# Altium PCB Supply__PCB.PcbDoc
Units mil, origin at the board's own origin, x right, y up, seen from the top; angles counter-clockwise.
Board outline 6279.53 x 4665.35 mil, 2 copper layers (Top Layer, Bottom Layer); 102 components, 61 nets, 341 pads, 45 vias.
Unrouted connection lines stored in the file: 11.
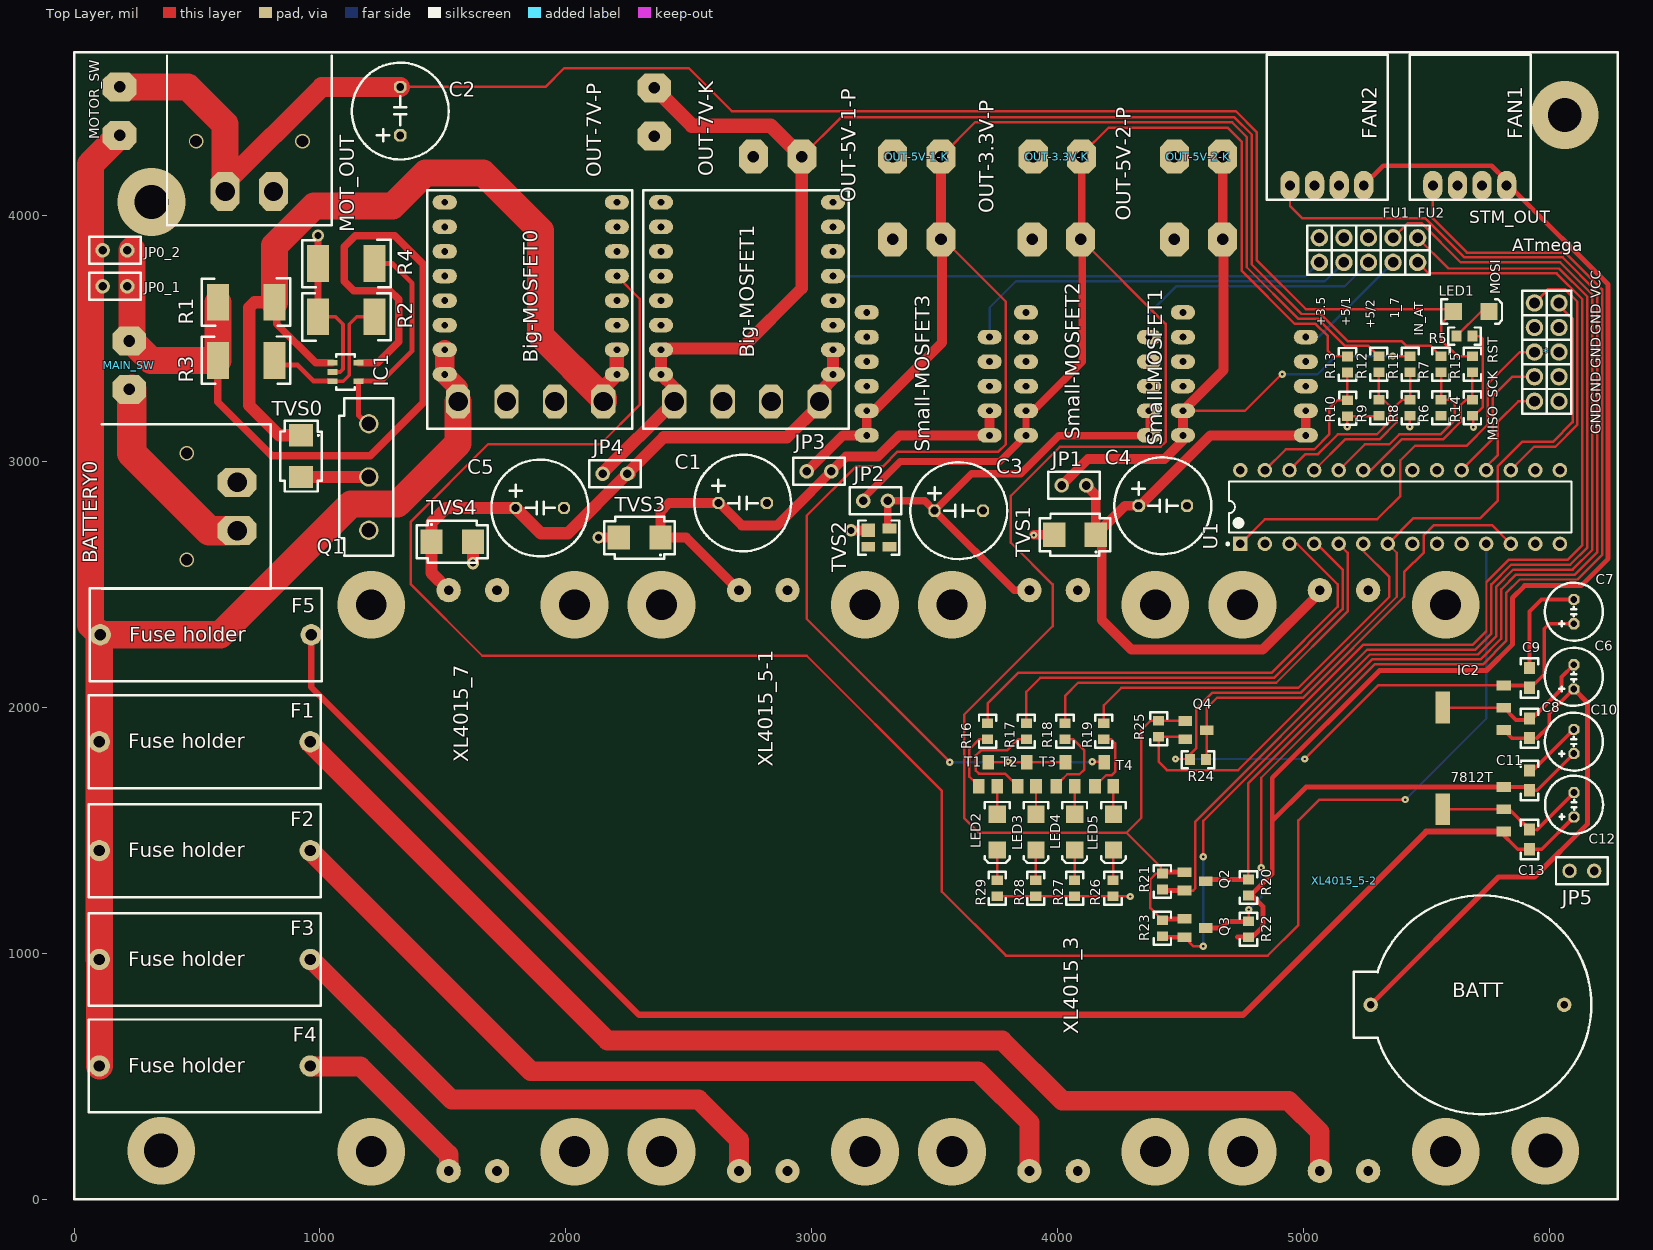
[diagram p0: Top Layer view]
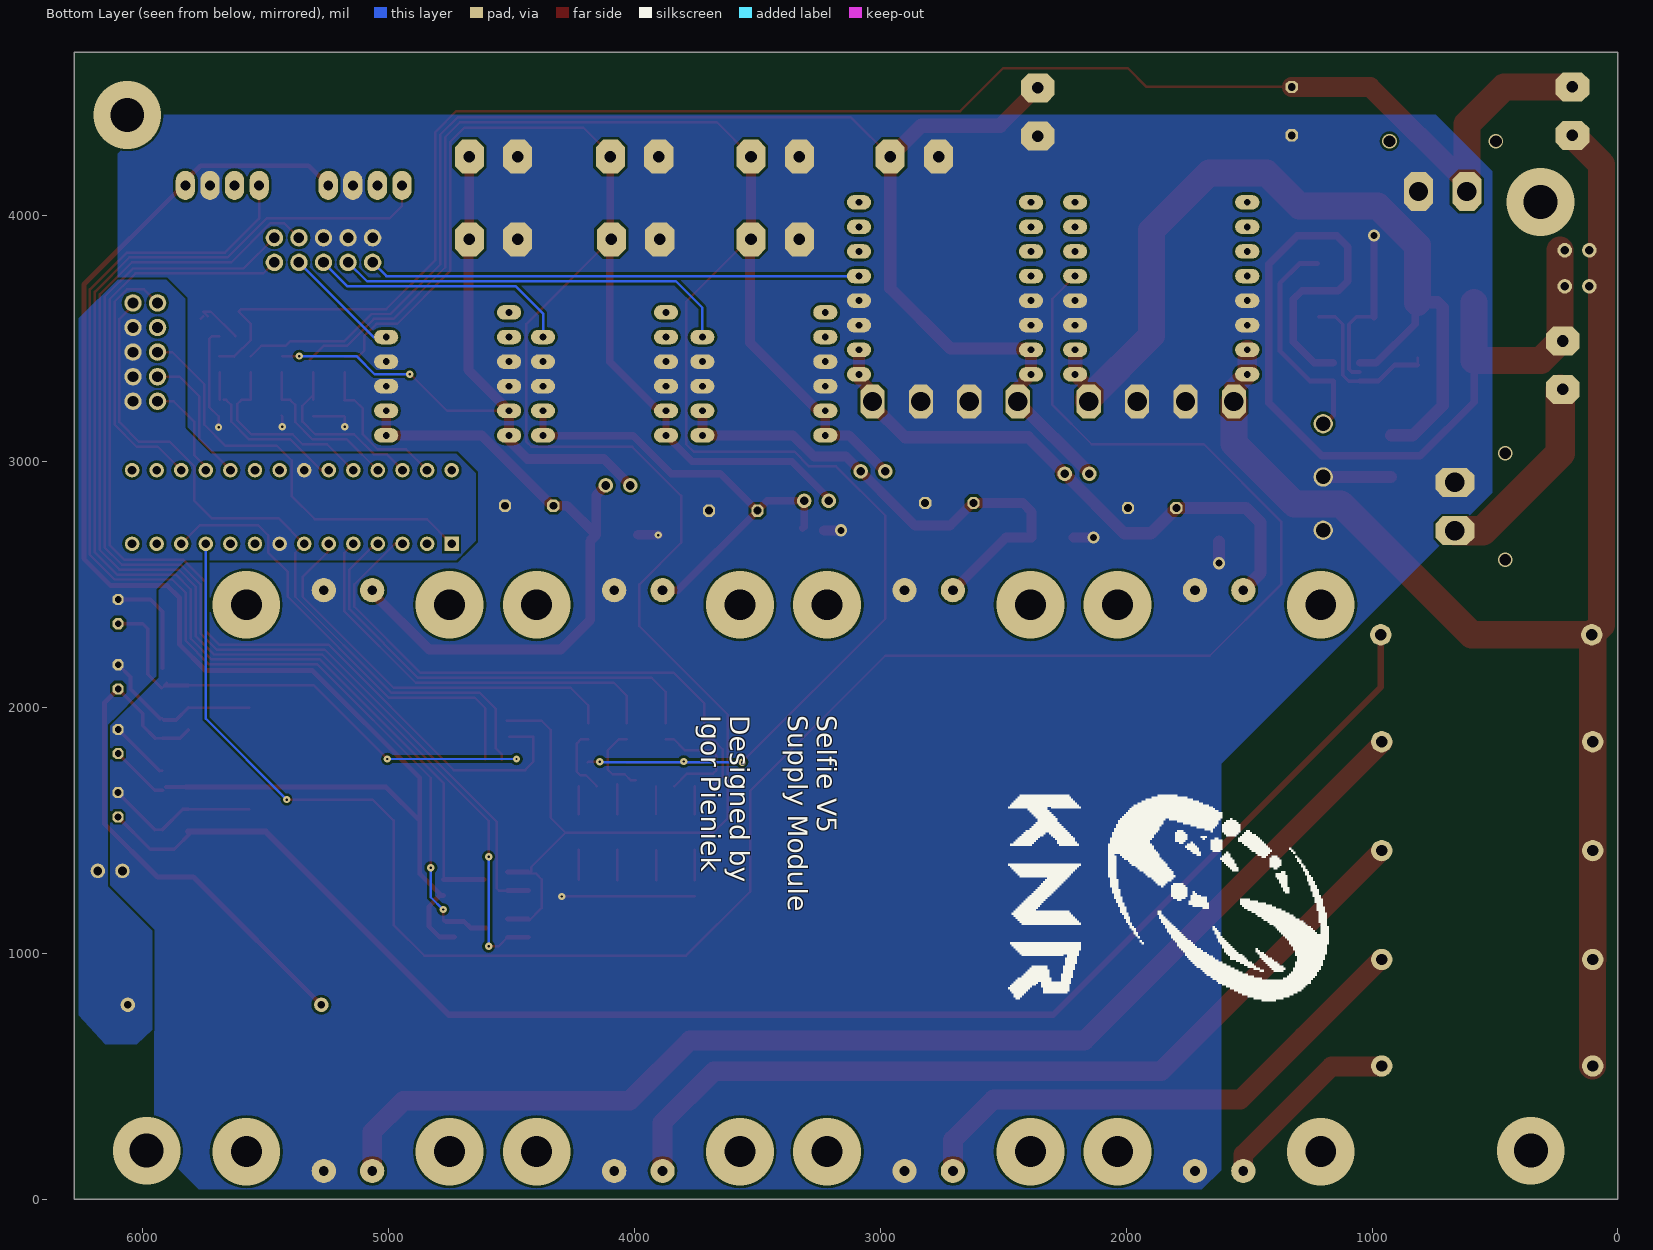
[diagram p1: Bottom Layer view, seen from below]
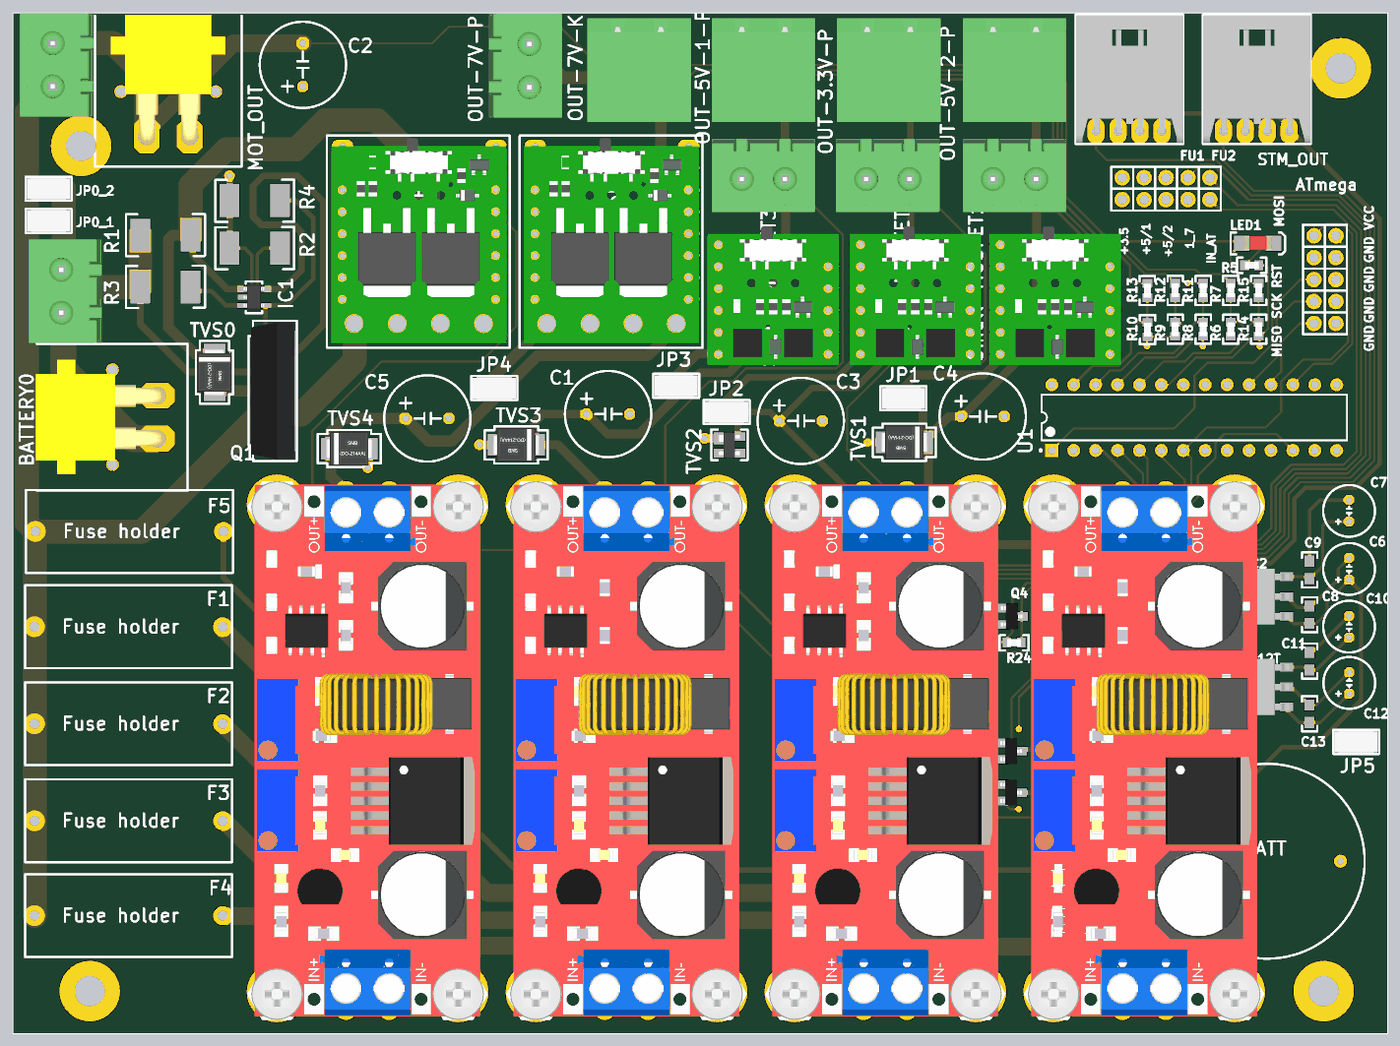
[diagram p2: 3D render of the assembled board from above, using the file's embedded part models]

## Layer stack, top to bottom
Top Solder: solder mask 0.4, Solder Resist, Dk 3.5
Top Layer: signal copper 1.4
Dielectric 1: dielectric 12.6, FR-4, Dk 4.8
Bottom Layer: signal copper 1.4
Bottom Solder: solder mask 0.4, Solder Resist, Dk 3.5

## Board outline
0,0 6279.53,0 6279.53,4665.35 0,4665.35

## Design rules (kind name [scope] priority, off if disabled: settings)
Clearance [All] p1: gap=10
PlaneConnect [All] p1: planeconnectstyle=Relief reliefexpansion=20 reliefentries=4 reliefconductorwidth=20 reliefairgap=10
PolygonConnect [All] p1: connectstyle=Direct reliefconductorwidth=10 reliefentries=4 polygonreliefangle="90 Angle" airgapwidth=10
RoutingVias [All] p1: holewidth=28 width=50 viastyle="Through Hole" minholewidth=28 minwidth=50 maxholewidth=28 maxwidth=50
SolderMaskExpansion [All] p1: expansion=4
Width [All] p1: maxlimit=10 minlimit=10 preferedwidth=10
29 further rules are at their usual default settings.

## Components (designator, comment, footprint, x,y, rotation, side; value= is the part's Value field where it differs from the comment)
7812T "7812T" SOT-223 5815,1495 r90 top
* "IDC10 KANDA" IDC10 5940,3645 r270 top
BATT "CR2032" CR2032 6120,790 r180 top
BATTERY0 "2-pin" XT30-katowy-in 663,2817 r90 top
Big-MOSFET0 "16A" Big-MOSFET-Switch 2152.66,3244.14 r180 top
Big-MOSFET1 "16A" Big-MOSFET-Switch 3032.07,3244.14 r180 top
C1 "1000u" 5mm 2621.01,2831.07 r0 top
C2 "1000u" 5mm 1326.77,4326.77 r90 top
C3 "1000u" 5mm 3500,2800 r0 top
C4 "1000u" 5mm 4330,2820 r0 top
C5 "1000u" 5mm 1796.13,2811.07 r0 top
C6 "220u" 2.5mm 6100,2075 r90 top
C7 "100u" 2.5mm 6100,2340 r90 top
C8 "100n" 0603#1 5920,1875 r90 top
C9 "100n" 0603#1 5920,2080 r90 top
C10 "100u" 2.5mm 6100,1811.57 r90 top
C11 "100n" 0603#1 5920,1663 r90 top
C12 "220u" 2.5mm 6101,1554.57 r90 top
C13 "100n" 0603#1 5920,1423 r90 top
F1 "8A" fuse 102.43,1860.28 r0 top
F2 "8A" fuse 102.43,1417.37 r0 top
F3 "8A" fuse 102.43,974.46 r0 top
F4 "8A" fuse 102.43,541.39 r0 top
F5 "2A" fuse 106.36,2295.32 r0 top
FAN1 "connector4" CON4 5826.77,4122.99 r180 top
FAN2 "connector4" CON4 5245.75,4123 r180 top
IC1 "comp" "komparator AP331A" 1051.24,3401.62 r270 top
IC2 "7805T" SOT-223 5815,1908 r90 top
JP0_1 "jumper" jumper 116.2,3712.65 r0 top
JP0_2 "jumper" jumper 116.2,3859.3 r0 top
JP1 "jumper" jumper 4016.99,2902.76 r0 top
JP2 "jumper" jumper 3210,2840 r0 top
JP3 "jumper" jumper 2980,2960 r0 top
JP4 "jumper" jumper 2150,2950 r0 top
JP5 "jumper" jumper 6082.68,1334.65 r0 top (schematic designator JP1)
LED1 "LED" 1206 5610,3610 r0 top
LED2 "LED" 1206 3755.04,1565 r270 top
LED3 "LED" 1206 3912.52,1565 r270 top
LED4 "LED" 1206 4070,1565 r270 top
LED5 "LED" 1206 4227.48,1565 r270 top
MAIN_SW "2-pin" 2-pin-zielony-prosty 224.47,3293.35 r90 top
MOT_OUT "2-pin" XT30-katowy-in 712.6,4098.43 r0 top
MOTOR_SW "2-pin" 2-pin-zielony-prosty 185.1,4326.82 r90 top
OUT-3.3V-K "2-pin" 2-pin-zielony-kat 4098.17,4240 r180 top
OUT-3.3V-P "" 2-pin-zielony-prosty 4094.24,3903.59 r180 top
OUT-5V-1-K "2-pin" 2-pin-zielony-kat 3526.2,4240 r180 top
OUT-5V-1-P "" 2-pin-zielony-prosty 3526.2,3903.59 r180 top
OUT-5V-2-K "2-pin" 2-pin-zielony-kat 4671.95,4240 r180 top
OUT-5V-2-P "" 2-pin-zielony-prosty 4671.95,3903.59 r180 top
OUT-7V-K "2-pin" 2-pin-zielony-kat 2960,4240 r180 top
OUT-7V-P "" 2-pin-zielony-prosty 2360,4520 r270 top
Q1 "IXFH74N20P" IXFH74N20P 1198.88,2937.06 r270 top
Q2 "BSS138" BSS138 4516.62,1329.76 r270 top
Q3 "BSS138" BSS138 4516.62,1139.76 r270 top
Q4 "BSS138" BSS138 4520,1944.8 r270 top
R1 "0.01" R2512 815.02,3647.69 r180 top
R2 "3.9k" R2512 992.19,3588.63 r0 top
R3 "120" R2512 815.02,3411.46 r180 top
R4 "10k" R2512 992.19,3805.17 r0 top
R5 "690" 0603#2 5687.95,3510 r180 top
R6 "2.2k" 0603#2 5559.99,3186.46 r90 top
R7 "3.3k" 0603#2 5559.99,3363.63 r90 top
R8 "4.7k" 0603#2 5434.4,3186.46 r90 top
R9 "4.7k" 0603#2 5306.92,3186.46 r90 top
R10 "22k" 0603#2 5180.43,3184.5 r90 top
R11 "3.3k" 0603#2 5434.4,3363.63 r90 top
R12 "3.3k" 0603#2 5306.92,3363.63 r90 top
R13 "3.3k" 0603#2 5179.45,3363.12 r90 top
R14 "470" 0603#2 5687.63,3186.46 r90 top
R15 "2.2k" 0603#2 5687.63,3363.63 r90 top
R16 "10k" 0603#2 3715.67,1935.08 r270 top
R17 "10k" 0603#2 3873.15,1935.08 r270 top
R18 "10k" 0603#2 4030.63,1935.08 r270 top
R19 "10k" 0603#2 4188.11,1935.08 r270 top
R20 "20k" 0603#2 4776.62,1299.76 r270 top
R21 "20k" 0603#2 4426.62,1259.76 r90 top
R22 "20k" 0603#2 4776.62,1129.76 r270 top
R23 "20k" 0603#2 4426.62,1069.76 r90 top
R24 "10k" 0603#2 4539.69,1787.32 r0 top
R25 "10k" 0603#2 4411.73,1944.8 r270 top
R26 "220" 0603#2 4225.51,1296.3 r270 top
R27 "220" 0603#2 4070,1296.3 r270 top
R28 "220" 0603#2 3911.54,1296.3 r270 top
R29 "220" 0603#2 3755.04,1296.3 r270 top
Small-MOSFET1 "?A" Small-MOSFET-Switch 5010.06,3106.35 r180 top
Small-MOSFET2 "?A" Small-MOSFET-Switch 4372.03,3106.35 r180 top
Small-MOSFET3 "?A" Small-MOSFET-Switch 3724,3106.35 r180 top
STM_OUT "STM_OUT" IDC10 5065,3810 r0 top (schematic designator IDC10_2)
T1 "T1" SOT23 3680.24,1679.17 r0 top
T2 "T1" SOT23 3837.72,1679.17 r0 top
T3 "T1" SOT23 3995.2,1679.17 r0 top
T4 "T1" SOT23 4152.68,1679.17 r0 top
TVS0 "TVS" "TVS DO-214AA" 923.29,3106.35 r270 top
TVS1 "TVS" "TVS DO-214AA" 4155.77,2701.98 r180 top
TVS2 "3.3" "TVS 3.3V 82401" 3230,2720 r270 top
TVS3 "TVS" "TVS DO-214AA" 2384.79,2690.32 r180 top
TVS4 "TVS" "TVS DO-214AA" 1453.68,2673.28 r0 top
U1 "ATmega328-PU" 28P3 5393.7,2815 r90 top
XL4015_3 "XL4015" PCBComponent_1 3885.89,114.22 r90 top
XL4015_5-1 "XL4015" PCBComponent_1 2704.79,114.22 r90 top
XL4015_5-2 "XL4015" PCBComponent_1 5066.99,114.22 r90 top
XL4015_7 "XL4015" PCBComponent_1 1523.68,114.22 r90 top

## Footprints (in the part's own frame and the unit in brackets; to place one, negate y for a bottom-side part, rotate by r counter-clockwise, add the part's x,y. Pads: shape width x height; smd on the part's side, far side on the other; paste and mask are expansions set on the pad)
2-pin-zielony-kat [mm]
  oct 3x3.5 hole 1.2: 1(0,0) 2(5,0)
  body extent -3.5,-10.1 8.5,1.9, height 8.75
2-pin-zielony-prosty [mm]
  oct 3x3.5 hole 1.2: 1(0,0) 2(5,0)
  body extent -3.5,-4.7 8.5,3.8, height 12
2.5mm [mil]
  oct 45x45 hole 28: 1(0,0) 2(98.43,0)
  silkscreen extent -69,-118 167,118
5mm [mil]
  oct 50x50 hole 32: 1(0,0) 2(196.85,0)
  silkscreen extent -98,-197 295,197
28P3 [mm] "DIP, 28-Leads, Row Spacing 7.62mm, Pitch 2.54mm, Body 34.67x7.3mm"
  rect 1.5x1.5 hole 0.9: 1(-3.81,16.51)
  round 1.5 hole 0.9: 2(-3.81,13.97) 3(-3.81,11.43) 4(-3.81,8.89) 5(-3.81,6.35) 6(-3.81,3.81) 7(-3.81,1.27) 8(-3.81,-1.27) 9(-3.81,-3.81) 10(-3.81,-6.35) 11(-3.81,-8.89) 12(-3.81,-11.43) 13(-3.81,-13.97) 14(-3.81,-16.51) 15(3.81,-16.51) 16(3.81,-13.97) 17(3.81,-11.43) 18(3.81,-8.89) 19(3.81,-6.35) 20(3.81,-3.81) 21(3.81,-1.27) 22(3.81,1.27) 23(3.81,3.81) 24(3.81,6.35) 25(3.81,8.89) 26(3.81,11.43) 27(3.81,13.97) 28(3.81,16.51)
  silkscreen extent -3.93,-17.7 2.65,17.93, body extent -3.6,-17.65 3.6,17.65, height 4.58
0603#1 [mil]
  rect 50x45 smd: 1(0,0) 2(80,0)
  silkscreen extent -40,-35 120,35
0603#2 [mil]
  rect 40x45 smd: 1(-0.51,-0.01) 2(64.49,-0.01)
  silkscreen extent -35,-35 98,35, body extent 0,-17 63,17, height 33
1206 [mil]
  rect 70x70 smd: 1(0,0) 2(145,0)
  silkscreen extent -50,-50 198,50, body extent 12,-30 138,33, height 43
Big-MOSFET-Switch [mm]
  oval 2.5x1.5 hole 0.7: 1(-1.4,-2.8) 1(-1.4,-5.34) 2(16.38,-5.34) 2(16.38,-2.8) 3(-1.4,-7.88) 3(-1.4,-10.42) 3(-1.4,-20.58) 3(16.38,-10.42) 3(16.38,-7.88) 3(16.38,-20.58) 4(-1.4,-12.96) 5(-1.4,-15.5) 6(-1.4,-18.04) 7(16.38,-18.04) 7(16.38,-15.5) 8(16.38,-12.96)
  oct 2.5x3.5 hole 2: 1(0,0) 2(15,0) 3(5,0) 3(10,0)
  silkscreen extent -3,-21.8 18.2,2.8, body extent -2.62,-21.48 17.7,2.28, height 3.96
BSS138 [mm]
  rect 1x1.4 smd: 1(0,0) 2(1.9,0) 3(0.95,2.2)
  body extent -0.56,-0.21 2.44,2.29, height 1.06
CON4 [mm]
  oval 2x3 hole 1.02: 1(0,0) 2(2.54,0) 3(5.08,0) 4(7.62,0)
  silkscreen extent -2.5,-13.5 10,1.5, body extent -2.5,-13.43 9.95,1.43, height 5.5
CR2032 [mm]
  round 1.5 hole 0.762: 1(21.5,0) 2(1.5,0)
  silkscreen extent -1.3,-11.3 23.25,11.3, body extent -1.3,-11.3 22.2,11.3, height 8.2
fuse [mm]
  round 2.2 hole 1.15: 1(0,0) 2(21.8,0)
  silkscreen extent -1.1,-4.8 22.9,4.8, body extent -1.1,-4.8 22.9,4.8, height 10.5
IDC10 [mm]
  round 1.8 hole 1.1: 1(0,0) 2(0,2.54) 3(2.54,0) 4(2.54,2.54) 5(5.08,0) 6(5.08,2.54) 7(7.62,0) 8(7.62,2.54) 9(10.16,0) 10(10.16,2.54)
  silkscreen extent -1.27,-1.27 11.43,3.81, body extent -5.08,-3.3 15.24,5.9, height 9.4
IXFH74N20P [mm]
  round 2 hole 1.5: 1(-5.5,0) 2(0,0) 3(5.5,0)
  silkscreen extent -8.13,-3.05 8.13,2.54, body extent -7.95,-2.8 7.95,2.3, height 25.95
jumper [mm]
  round 1.5 hole 0.9: 1(0,0) 2(2.54,0)
  silkscreen extent -1.4,-1.4 3.94,1.4, body extent -1.23,-1.27 3.77,1.27, height 9.5
"komparator AP331A" [mm]
  rect 0.6x1.05 smd: 1(0,0) 2(0.95,0) 3(1.9,0) 4(1.9,2.7) 5(0,2.7)
  silkscreen extent -0.89,0.38 2.79,2.29, body extent -0.56,0.11 2.44,2.51, height 1.15
PCBComponent_1 [mm]
  round 2.5 hole 1: 0(0,0) 1(0,-5) 1(60,-5) 2(60,0)
  body extent -1.25,-16.46 61.25,11.46, height 25.57
R2512 [mil]
  rect 90x150 smd: 1(0,0) 2(230,0)
  silkscreen extent -65,-97 295,96
Small-MOSFET-Switch [mm]
  oval 2.5x1.5 hole 0.7: 1(0,0) 1(0,0) 1(0,-2.54) 2(12.7,-2.54) 2(12.7,0) 3(0,-5.08) 3(0,-7.62) 3(12.7,-5.08) 3(12.7,-7.62) 4(0,-10.16) 5(12.7,-10.16) 6(12.7,-12.7)
  body extent -1.24,-14.8 14,1.33, height 3.42
SOT23 [mm]
  rect 1.2x1.5 smd: 1(0,0) 2(1.9,0) 3(0.95,2.5)
  body extent -0.59,0.07 2.41,2.47, height 1.1
SOT-223 [mm]
  rect 1x1.5 smd: 1(0,0) 2(2.3,0) 3(4.6,0)
  rect 3.3x1.5 smd: 2(2.3,6.3)
  body extent -0.96,-0.32 5.54,6.57, height 1.7
"TVS 3.3V 82401" [mm]
  rect 1.4x1.4 smd: 1(0,0)
  rect 1x1.4 smd: 2(1.7,0) 3(1.7,2.2) 4(-0.2,2.2)
  silkscreen extent -1.02,-1.02 2.54,3.2, body extent -0.7,-0.11 2.22,2.29, height 1.06
"TVS DO-214AA" [mm]
  rect 2.3x2.5 smd: 1(0,0) 2(4.3,0)
  silkscreen extent -1.5,-2.16 5.8,2.16, body extent -0.6,-1.95 4.9,1.95, height 2.45
XT30-katowy-in [mm]
  oct 3x4 hole 2: 1(2.5,0) 2(-2.5,0)
  silkscreen extent -8.5,-3.5 8.5,14, body extent -6.65,-0.91 6.65,14.1, height 5.2

## Part data
Big-MOSFET0 Big-MOSFET1: library part Big-MOSFET-Switch
C1 C2 C3 C4 C5 C6 C7 C10 C12: library part Cap_pol
C8 C9 C11 C13: library part Cap
F1 F2 F3 F4 F5: library part Fuse
OUT-3.3V-P OUT-5V-1-P OUT-5V-2-P OUT-7V-P: library part 2-pin
Q1 Q2 Q3 Q4: library part MOSFET
R1 R2 R3 R4 R5 R6 R7 R8 R9 R10 R11 R12 R13 R14 R15 R16 R17 R18 R19 R20 R21 R22 R23 R24 R25 R26 R27 R28 R29: library part Res
Small-MOSFET1 Small-MOSFET2 Small-MOSFET3: library part Small-MOSFET-Switch
STM_OUT: library part "IDC10 KANDA"
T1 T2 T3 T4: library part "Transistor NPN"
TVS2: library part "TVS 3.3V"
U1: "8-bit AVR Microcontroller, 32KB Flash, 1KB EEPROM, 2KB SRAM, 28-pin PDIP, Industrial Grade (-40°C to 85°C)"

## Via types
v1: diameter 30, hole 10, Top Layer to Bottom Layer, 17 vias
v2: diameter 275.59, hole 125.98, Top Layer to Bottom Layer, 16 vias
v3: diameter 275.59, hole 137.8, Top Layer to Bottom Layer, 4 vias
v4: diameter 50, hole 28, Top Layer to Bottom Layer, 4 vias
v5: diameter 59.06, hole 47.24, Top Layer to Bottom Layer, 4 vias

## Nets (pads, with @x,y where several pads share a name; then routed paths per layer and width w, separated by ;. In a path a pad name is that pad's centre, name@x,y a point inside that pad or via, vN(x,y) a via of type N, cw(c..) or ccw(c..) an arc to the next point about the centre after c; other vN are vias at no path point)
+3.3V: JP2.1 OUT-3.3V-K.1 OUT-3.3V-P.1 Q2.1 Q3.1 Q4.1 R13.2 R21.2 R23.2 R25.1 Small-MOSFET2.2 | length 9065
  Top Layer w10: Small-MOSFET2.2@3872.03,3206.35 Small-MOSFET2.2@3901.17,3206.35 ; OUT-3.3V-P.1@4098.17,3901.83 4440,3560 4440,3080 4420,3060 4010,3060 3810,2860 3810,2670 3980,2500 3980,2330 3620,1970 3620,1550 3680,1490 4280,1490 ; OUT-3.3V-K.1@4098.17,4248.17 4208.31,4358.31 4691.69,4358.31 4750,4300 4750,3775 4965,3560 5050,3560 5100,3510 5100,3450 5121.88,3428.12 R13.2@5179.45,3428.12 ; R23.2 4377.62,1183.26 4377.62,1300.76 4401.11,1324.25 R21.2 4420,1330.88 4420,1350 4280,1490 ; Q4.1@4519.49,1945.31 R25.1 4377.22,1945.31 4340.51,1908.61 4340.51,1550.51 4280,1490
  Top Layer w20: R23.2@4432.14,1139.76 Q3.1 ; R21.2@4432.14,1329.76 Q2.1
  Top Layer w30: JP2.1@3205,2845 3360,3000 3765.69,3000 3872.03,3106.35 Small-MOSFET2.2@3872.03,3206.35 ; Small-MOSFET2.2@3901.17,3206.35 4100,3405.18 OUT-3.3V-P.1@4100,3905.56 ; OUT-3.3V-P.1@4098.17,3901.83 OUT-3.3V-K.1@4098.17,4248.17
+5V/0: *.2 C7.1 C9.1 IC2.3 R24.1 U1.7 | length 5026.3
  Top Layer w10: v1(4480,1790) 4536.49,1790 R24.1 4539.18,1808.27 4563.51,1832.61 4563.51,1993.51 4630,2060 4990,2060 5380,2450 5380,2628.7 U1.7 5448.7,2770 5720,2770 5790,2840 5790,2980 5890,3080 6015,3080 6095,3160 6095,3580 6040,3635 *.2 ; v1(5005,1790) 5304.1,2089.1 IC2.3 ; C9.1@5902,2100 C9.1@5905,2097 ; C9.1@5910.9,2089.1 C9.1 C9.1@5925,2080
  Top Layer w15: IC2.3 C9.1@5910.9,2089.1 ; C9.1@5925,2080 5980,2135 5980,2320 6000,2340 C7.1
  Bottom Layer w10: v1(4480,1790) v1(5005,1790)
+5V/1: JP3.1 OUT-5V-1-K.1 OUT-5V-1-P.1 R12.2 Small-MOSFET3.2 T1.3 T2.3 T3.3 T4.3 | length 8266.3
  Top Layer w10: Small-MOSFET3.2@3224,3206.35 Small-MOSFET3.2@3253.13,3206.35 ; OUT-5V-1-K.1@3526.2,4228.39 OUT-5V-1-K.1@3573.45,4228.39 ; OUT-5V-1-K.1@3526.2,4241.2 3665,4380 4710,4380 4770,4320 4770,3790 4980,3580 5060,3580 5170,3470 5265.05,3470 R12.2@5321.93,3413.12 ; OUT-5V-1-P.1@3530,3910 3790,3650 3790,3070 3760,3040 3350,3040 3290,2980 3180,2980 2980,2780 2980,2360 v1(3562.5,1777.5) ; T1.3 T2.3 T3.3 ; v1(4140.62,1778.76) 4188.92,1778.76 T4.3
  Top Layer w40: JP3.1 3126.35,3106.35 3224,3106.35 Small-MOSFET3.2@3224,3206.35 ; Small-MOSFET3.2@3253.13,3206.35 3530,3483.21 OUT-5V-1-P.1@3530,3910 ; OUT-5V-1-P.1 OUT-5V-1-K.1@3526.2,4241.2
  Bottom Layer w10: v1(3562.5,1777.5) 4139.37,1777.5 v1(4140.62,1778.76)
  other v1: 3799.62,1779.76
+5V/2: JP1.1 OUT-5V-2-K.1 OUT-5V-2-P.1 R11.2 Small-MOSFET1.2 | length 2792
  Top Layer w10: Small-MOSFET1.2@4510.06,3206.35 4762.35,3206.35 4911,3355 v1(4914,3355) ; v1(5364,3429) R11.2@5433.53,3429
  Top Layer w40: JP1.1 4124.23,3010 4435,3010 4510.06,3085.06 4510.06,3106.35 4510.06,3206.35 4675,3371.28 OUT-5V-2-P.1@4675,3917.37 ; OUT-5V-2-P.1@4671.95,3927.37 OUT-5V-2-K.1@4671.95,4234.46
  Bottom Layer w10: v1(4914,3355) 5057,3355 5131,3429 v1(5364,3429)
+7V: Big-MOSFET1.2 JP4.1 OUT-7V-K.1 OUT-7V-P.1 R7.2 | length 5891.5
  Top Layer w10: OUT-7V-K.1 3120,4400 4720,4400 4790,4330 4790,3802 4992,3600 5070,3600 5180,3490 5400,3490 5420,3470 5518.12,3470 R7.2
  Top Layer w50: JP4.1@2150,2948.87 2150,2952.62 Big-MOSFET1.2@2441.52,3244.14 ; Big-MOSFET1.2@2441.52,3300.05 2387.19,3354.38 2387.19,3442.19 2405,3460 2715,3460 2960,3705 OUT-7V-K.1
  Top Layer w60: OUT-7V-P.1 2513.81,4366.19 2833.81,4366.19 OUT-7V-K.1
+12V: 7812T.3 C10.1 C11.1 FAN1.1 FAN2.1 R20.2 R22.2 | length 6308.6
  Top Layer w15: 7812T.3@5800,1676.1 C11.1@5906.9,1676.1 ; C11.1 5951.43,1663 C10.1
  Top Layer w20: 4732.13,1065.26 R22.2 4792.13,1065.26 4836.62,1109.76 4836.62,1189.76 R20.2@4791.11,1235.26 ; R20.2 4786.13,1235.26 4873.62,1322.76 4873.62,1538.62 ; FAN2.1 5325.75,4203 5765.5,4203 5826.77,4141.73 FAN1.1 ; 7812T.3@5825,1676.1 5011.1,1676.1 4873.62,1538.62 ; FAN1.1@5858,4102 6240,3720 6240,2605 6130,2495 5900,2495 5850,2445 5850,2255 5745,2150 5310,2150 4873.62,1713.62 4873.62,1538.62
+15V: C2.2 LED1.1 MOT_OUT.2 MOTOR_SW.2 R15.2 | length 6994.5
  Top Layer w10: C2.2 1917.34,4523.62 1993.72,4600 2500,4600 2675,4425 4725,4425 4810,4340 4810,3820 5010,3620 5600,3620 LED1.1 5560,3560 5560,3495 5628.36,3426.64 ; 5629.83,3428.12 R15.2 R15.2@5689.83,3428.12
  Top Layer w80: MOT_OUT.2 614.17,4129.92 1007.87,4523.62 C2.2
  Top Layer w110: MOTOR_SW.2 462.33,4523.67 614.17,4371.83 MOT_OUT.2
  other v5: 496.06,4303.15
GND: 7812T.2 BATTERY0.1 Big-MOSFET0.3@1507.78,3554.38 Big-MOSFET0.3@1507.78,3654.38 Big-MOSFET0.3@1758.96,3244.14 Big-MOSFET0.3@1955.81,3244.14 Big-MOSFET0.3@2207.78,3554.38 Big-MOSFET0.3@2207.78,3654.38 Big-MOSFET1.3@2387.19,3554.38 Big-MOSFET1.3@2387.19,3654.38 Big-MOSFET1.3@2638.37,3244.14 Big-MOSFET1.3@2835.22,3244.14 Big-MOSFET1.3@3087.19,3554.38 Big-MOSFET1.3@3087.19,3654.38 C1.2 C2.1 C3.2 C4.2 C5.2 C10.2 C11.2 C12.2 C13.2 FAN1.2 FAN2.2 IC1.2 JP5.1 MOT_OUT.1 OUT-3.3V-K.2 OUT-3.3V-P.2 OUT-5V-1-K.2 OUT-5V-1-P.2 OUT-5V-2-K.2 OUT-5V-2-P.2 OUT-7V-K.2 OUT-7V-P.2 Q1.2 Q1.3 R2.1 R4.1 R5.1 R6.1 R8.1 R9.1 R10.1 R14.1 R26.2 R27.2 R28.2 R29.2 Small-MOSFET1.3 Small-MOSFET2.3 Small-MOSFET3.3 STM_OUT.2 STM_OUT.4 STM_OUT.6 TVS0.2 TVS1.2 TVS2.1 TVS3.2 TVS4.2 XL4015_3.1 XL4015_5-1.1 XL4015_5-2.1 XL4015_7.1 | length 3347.3
  Top Layer w10: 664,2717.88 672.62,2717.88 ; Big-MOSFET1.3@2387.19,3654.38 Big-MOSFET1.3@2399,3654.38 ; XL4015_5-1.1@2901.64,114.22 XL4015_5-1.1@2941.01,114.22 ; XL4015_5-1.1@2901.64,2476.43 XL4015_5-1.1@2901.64,2488.24 ; R29.2 R28.2 R27.2 R26.2 v1@4295.57,1231.81 ; XL4015_3.1@4082.74,2476.43 XL4015_3.1@4102.43,2476.43 ; OUT-5V-2-P.2@4475.1,3913.2 OUT-5V-2-P.2@4482.19,3920.28 ; v1(5178,3141) 5178,3181.55 R10.1 R9.1@5306.93,3183.99 ; v1(5433,3141) 5433,3183.37 5435,3185.37 R8.1 ; 7812T.2@5566.97,1585.55 7812T.2@5815,1585.55 ; R5.1 5718.46,3510.01 5730,3498.47 5730,3222.05 5691.95,3184 v1(5691.95,3140) ; C13.2 5951,1503 ; C11.2 C11.2@5933,1743
  Top Layer w15: R2.1 1063.37,3588.63 1094,3558 1094,3375.8 1082.43,3364.22 IC1.2 ; 7812T.2@5815,1585.55 5837.45,1585.55 C13.2 ; C11.2@5933,1743 C10.2 ; 5951,1503 C12.2
  Top Layer w30: R2.1 R4.1 v4(992.19,3919.34)
  Top Layer w40: v4(3160,2720) TVS2.1 ; v1@3904.79,2701.98 TVS1.2
  Top Layer w50: TVS0.2 Q1.2 ; v4(1622.98,2586.66) TVS4.2
  other v1: 4296.62,1230.76 3903.8,2700.99
  other v4: 2132.82,2691.31
GND2: *.4 *.6 *.8 *.10 BATT.2 C6.2 C7.2 C8.2 C9.2 IC2.2 JP5.2 U1.8 U1.22 | length 1105.3
  Top Layer w10: IC2.2@5566.97,1998.55 IC2.2@5815,1998.55 ; C8.2@5913.55,1948.55 C8.2 C8.2@5930,1955
  Top Layer w15: IC2.2@5815,1998.55 5865,1948.55 C8.2@5913.55,1948.55 ; C9.2 5920,2390 5968.43,2438.43 C7.2 ; C8.2@5930,1955 6050,2075 6050,2123.43 C6.2
Net7812T_1: 7812T.1 C12.1 C13.1 F5.2 | length 6319
  Top Layer w10: C12.1@6091,1554.57 C12.1
  Top Layer w15: 7812T.1@5800,1495 5872,1423 C13.1 5969.43,1423 C12.1
  Top Layer w25: F5.2 964.63,2082.61 2297.24,750 4755,750 5500,1495 7812T.1
Net*_1: *.1 U1.17 | length 1066.4
  Top Layer w10: U1.17 5938.7,3060 6025,3060 6115,3150 6115,3650 6065,3700 5995,3700 *.1
Net*_5: *.5 U1.1 | length 1701
  Top Layer w10: U1.1 4843.7,2765 5300,2765 5395,2860 5395,3005 5455,3065 5665,3065 5750,3150 5750,3315 5880,3445 *.5
Net*_7: *.7 U1.19 | length 555.5
  Top Layer w10: U1.19 5770,3091.3 5770,3265 5850,3345 *.7
Net*_9: *.9 U1.18 | length 399.4
  Top Layer w10: U1.18 5743.7,2978.7 5790,3025 5790,3160 5875,3245 *.9
NetBATT_1: BATT.1 C6.1 C8.1 IC2.1 | length 2169.5
  Top Layer w10: C8.1 5950,1875
  Top Layer w15: IC2.1 5848,1875 C8.1 ; 5950,1875 6000,1925 6000,1975 C6.1
  Top Layer w20: BATT.1 5793.54,1310 5940,1310 6155,1525 6155,2020 C6.1
NetBig-MOSFET0_1: Big-MOSFET0.1 IC1.1 R1.1 TVS0.1 | length 4428.9
  Top Layer w10: Big-MOSFET0.1@2152.66,3244.14 Big-MOSFET0.1@2152.66,3299.26
  Top Layer w30: R1.1@824.87,3608.32 824.87,3559.1 982.35,3401.62 IC1.1
  Top Layer w50: R1.1 733.69,3647.69 712.66,3626.66 712.66,3228.39 834.71,3106.35 TVS0.1
  Top Layer w60: Big-MOSFET0.1@2152.66,3299.26 2207.78,3354.38 Big-MOSFET0.1@2207.78,3454.38
  Top Layer w110: 236.22,3859.3 236.22,3488.19 312.94,3411.46 585.02,3411.46 ; R1.1 815.02,3878.02 976.38,4039.37 1295.28,4039.37 1429.13,4173.23 1663.53,4173.23 1896.76,3940 1896.76,3512.69 2152.66,3256.79 Big-MOSFET0.1@2152.66,3244.14
NetBig-MOSFET0_2: Big-MOSFET0.2 F1.1 F2.1 F3.1 F4.1 F5.1 JP0_1.1 JP0_2.1 MOTOR_SW.1 | length 6001.3
  Top Layer w0: F5.1@94,2307.68 F5.1
  Top Layer w80: Big-MOSFET0.2@1507.78,3454.38 1507.78,3354.38 Big-MOSFET0.2@1562.11,3300.05
  Top Layer w110: F3.1 F2.1 F5.1@102.43,2303.15 ; F4.1@103.36,540.35 F3.1@103.36,973.43 ; MOTOR_SW.1 66.93,4208.65 66.93,2334.76 F5.1 594.55,2295.32 1127.23,2828 1316.19,2828 1562.11,3073.92 Big-MOSFET0.2@1562.11,3244.14
NetBig-MOSFET0_4: Big-MOSFET0.4 U1.11 | length 8543.6
  Top Layer w10: Big-MOSFET0.4 2300,3662.16 2300,3230 2140,3070 1684.17,3070 1370,2755.83 1370,2500 1660,2210 2980,2210 3530,1660 3530,1250 3790,990 4855,990 4980,1115 4980,1540 5065,1625 v1(5415,1625)
  Bottom Layer w10: v1(5415,1625) 5743.7,1953.7 U1.11
NetBig-MOSFET1_1: Big-MOSFET1.1 C5.1 JP4.2 TVS4.1 XL4015_7.2 | length 2429.4
  Top Layer w10: Big-MOSFET1.1@3032.07,3244.14 Big-MOSFET1.1@3065.54,3277.61 ; Big-MOSFET1.1@3041.91,3267.76 Big-MOSFET1.1@3041.91,3291.39 ; Big-MOSFET1.1@3087.19,3336.66 Big-MOSFET1.1@3087.19,3354.38
  Top Layer w50: XL4015_7.2 1453.68,2546.43 TVS4.1 1453.68,2752.02 1512.74,2811.07 C5.1 1899.47,2707.72 2007.72,2707.72 JP4.2 ; JP4.2@2260,2950 JP4.2 ; Big-MOSFET1.1@3032.07,3230.36 2900.18,3098.47 2398.47,3098.47 JP4.2 ; Big-MOSFET1.1@3041.91,3291.39 Big-MOSFET1.1@3087.19,3336.66 ; Big-MOSFET1.1@3087.19,3354.38 Big-MOSFET1.1@3087.19,3454.38
NetBig-MOSFET1_4: Big-MOSFET1.4 STM_OUT.1 | length 2000.9
  Bottom Layer w10: Big-MOSFET1.4 5009.38,3754.38 STM_OUT.1
NetC1_1: C1.1 JP3.2 Small-MOSFET3.1 TVS3.1 XL4015_5-1.2 | length 2155.1
  Top Layer w40: C1.1 2420.22,2831.07 2384.79,2795.64 TVS3.1 2489.68,2690.32 2704.79,2475.21 XL4015_5-1.2 ; C1.1@2624.94,2831.07 2716.02,2740 2860,2740 3140,3020 3270,3020 3356.35,3106.35 3724,3106.35 Small-MOSFET3.1@3724,3206.35
  other v2: 2389.83,2417.37
NetC3_1: C3.1 JP2.2 Small-MOSFET2.1 TVS2.4 XL4015_3.2 | length 1938.1
  Top Layer w30: TVS2.4 3310,2734.49 JP2.2 3460,2840 C3.1 ; XL4015_3.2 3823.57,2476.43 C3.1 ; Small-MOSFET2.1@4370.46,3104.77 4004.77,3104.77 3850,2950 3650,2950 C3.1 ; Small-MOSFET2.1@4372.03,3106.35 Small-MOSFET2.1@4372.03,3206.35
NetC4_1: C4.1 JP1.2 Small-MOSFET1.1 TVS1.1 XL4015_5-2.2 | length 2737.9
  Top Layer w40: JP1.2 4155.77,2863.98 TVS1.1 ; Small-MOSFET1.1@5010.06,3206.35 5010.06,3106.35 4621.35,3106.35 4335,2820 4273.8,2820 TVS1.1 ; XL4015_5-2.2 5066.99,2466.99 4835,2235 4300,2235 4180,2355 4180,2677.75 TVS1.1
NetF1_2: F1.2 XL4015_5-2.0 | length 4924.3
  Top Layer w80: F1.2@957.68,1857.28 2169.96,645 3775,645 4020,400 4940,400 5066.99,273.01 XL4015_5-2.0
NetF2_2: F2.2 XL4015_3.0 | length 3580.3
  Top Layer w80: F2.2@960.64,1417.32 1857.95,520 3676.96,520 3885.89,311.07 XL4015_3.0
NetF3_2: F3.2 XL4015_5-1.0 | length 2172.5
  Top Layer w80: F3.2@963.59,977.35 1279.53,661.42 1535.94,405 2540,405 2704.79,240.21 XL4015_5-1.0
  other v2: 2389.83,192.96
NetF4_2: F4.2 XL4015_7.0 | length 774.3
  Top Layer w80: F4.2@964.63,539.37 1165.35,539.37 1523.68,181.04 XL4015_7.0
NetFAN1_4: FAN1.4 Q3.3 R22.1 | length 4685.3
  Top Layer w10: R22.1@4766.11,1129.76 R22.1@4771.61,1135.26 ; R22.1 4778.62,1132.27 v1(4778.62,1177.76) ; v1(4828.62,1347.76) 4828.62,1713.62 5290,2175 5730,2175 5825,2270 5825,2465 5880,2520 6115,2520 6215,2620 6215,3700 6065,3850 5665,3850 5526.77,3988.23 FAN1.4
  Top Layer w20: Q3.3 4666.62,1102.35 4694.02,1129.76 R22.1@4766.11,1129.76
  Bottom Layer w10: v1(4778.62,1177.76) 4828.62,1227.76 v1(4828.62,1347.76)
NetFAN2_4: FAN2.4 Q2.3 R20.1 | length 5018.7
  Top Layer w10: R20.1 4776.61,1691.61 5280,2195 5720,2195 5805,2280 5805,2480 5865,2540 6105,2540 6195,2630 6195,3690 6055,3830 5655,3830 5495,3990 4995,3990 4945.75,4039.25 FAN2.4
  Top Layer w20: Q2.3@4611.15,1300.26 R20.1
NetIC1_3: IC1.3 R2.2 R3.1 | length 687.6
  Top Layer w10: R3.1@815.02,3391.78 R3.1@815.02,3421.31
  Top Layer w15: IC1.3 1094.55,3326.82 1119,3351.27 1119,3558 1149.63,3588.63 R2.2@1216.6,3588.63
  Top Layer w20: R3.1@815.02,3391.78 909.51,3391.78 974.47,3326.82 IC1.3
NetIC1_4: IC1.4 Q1.1 R4.2 | length 911
  Top Layer w20: Q1.1@1187.07,3157.53 1157.54,3187.06 IC1.4 1251.82,3326.82 1375,3450 1375,3725 1294.83,3805.17 R4.2
NetIDC10_2_3: Small-MOSFET3.4 STM_OUT.3 | length 1636.7
  Bottom Layer w10: Small-MOSFET3.4 3724,3625.63 3831.37,3733 5088,3733 STM_OUT.3
NetIDC10_2_5: Small-MOSFET2.4 STM_OUT.5 | length 1074.8
  Bottom Layer w10: Small-MOSFET2.4 4372.03,3602.03 4482,3712 5167,3712 STM_OUT.5
NetIDC10_2_7: Small-MOSFET1.4 STM_OUT.7 | length 480.7
  Bottom Layer w10: Small-MOSFET1.4 5061.35,3506.35 STM_OUT.7
NetIDC10_2_8: Q3.2 R23.1 STM_OUT.8 | length 4839.3
  Top Layer w10: Q3.2 4553.82,1027.76 v1(4593.62,1027.76) ; v1(4593.62,1392.76) 4593.62,1538.62 5270,2215 5710,2215 5785,2290 5785,2491 5854,2560 6095,2560 6175,2640 6175,3680 6045,3810 5640,3810 5480,3970 5425,3970 STM_OUT.8
  Top Layer w20: R23.1@4430.92,1064.95 Q3.2
  Bottom Layer w10: v1(4593.62,1027.76) v1(4593.62,1392.76)
NetIDC10_2_9: Q4.2 R25.2 STM_OUT.9 | length 4166
  Top Layer w10: Q4.2@4509.69,1880.31 R25.2 4410.94,1879.52 4410.94,1779.06 4445,1745 4735,1745 5245,2255 5690,2255 5745,2310 5745,2510 5835,2600 6075,2600 6135,2660 6135,3660 6030,3765 5510,3765 STM_OUT.9
NetIDC10_2_10: Q2.2 R21.1 STM_OUT.10 | length 4387.5
  Top Layer w10: Q2.2 4551.35,1254.95 4560.62,1264.23 4560.62,1535.62 5260,2235 5700,2235 5765,2300 5765,2500 5845,2580 6085,2580 6155,2650 6155,3670 6040,3785 5590,3785 STM_OUT.10
  Top Layer w20: R21.1@4430.92,1254.95 Q2.2
NetLED1_2: LED1.2 R5.2 | length 214.7
  Top Layer w10: R5.2 5723.45,3610 LED1.2 LED1.2@5735.51,3590.51 ; LED1.2@5755,3590 LED1.2@5765,3580
NetLED2_1: LED2.1 T1.2 | length 114.2
  Top Layer w10: LED2.1 T1.2
NetLED2_2: LED2.2 R29.1 | length 123.2
  Top Layer w10: R29.1 LED2.2
NetLED3_1: LED3.1 T2.2 | length 114.2
  Top Layer w10: LED3.1 T2.2
NetLED3_2: LED3.2 R28.1 | length 122.2
  Top Layer w10: R28.1 LED3.2@3911.53,1419.01
NetLED4_1: LED4.1 T3.2 | length 122
  Top Layer w10: LED4.1 T3.2 T3.2@4070,1687.05
NetLED4_2: LED4.2 R27.1 | length 123.2
  Top Layer w10: R27.1 LED4.2
NetLED5_1: LED5.1 T4.2 | length 114.2
  Top Layer w10: LED5.1 T4.2
NetLED5_2: LED5.2 R26.1 | length 121.2
  Top Layer w10: R26.1@4227.48,1298.78 LED5.2
NetQ4_2: Q4.3 R24.2 U1.12 | length 1882.5
  Top Layer w10: R24.2@4606.61,1789.75 Q4.3 4606.61,1996.61 4650,2040 5000,2040 5410,2450 5410,2550 5490,2630 5490,2700 5530,2740 5768.7,2740 U1.12
NetR6_2: R6.2 R7.1 U1.24 | length 845.5
  Top Layer w10: U1.24@5144.35,2964.35 5250,3070 5350,3070 5390,3110 5557.95,3110 5615.11,3167.16 5615.11,3234.89 5599.04,3250.96 R6.2 ; 5560,3300 R6.2 ; R7.1 R6.2
NetR8_2: R8.2 R11.1 U1.25 | length 661.9
  Top Layer w10: U1.25@5044.35,2964.35 5170,3090 5310,3090 5380,3160 5380,3230 5400.96,3250.96 R8.2 R11.1
NetR9_2: R9.2 R12.1 U1.26 | length 748.4
  Top Layer w10: U1.26 5008.7,3030 5060,3030 5140,3110 5298.75,3110 5351,3162.25 5351,3227.03 5306.93,3271.1 R9.2 R12.1
NetR10_2: R10.2 R13.1 U1.27 | length 630
  Top Layer w10: U1.27 4928.7,3050 5045,3050 5105,3110 5105,3215 5138.99,3248.99 R10.2@5179.45,3248.99 ; R13.1@5179.45,3363.12 R10.2@5179.45,3248.99 ; R10.2 R10.2@5179.45,3248.99
NetR14_2: R14.2 R15.1 U1.23 | length 697.7
  Top Layer w10: U1.23 5275,2965 5400,3090 5567.95,3090 5640,3162.05 5640,3230 5660.96,3250.96 R14.2@5670.96,3250.96 ; R14.2 R15.1
NetR16_1: R16.1 U1.3 | length 2022.4
  Top Layer w10: R16.1 3715.66,2015.66 3840,2140 4870,2140 5140,2410 5140,2500 4975,2665 U1.3
NetR16_2: R16.2 T1.1 | length 258
  Top Layer w10: T1.1 3640.87,1718.54 3640.87,1828.78 3682.67,1870.59 R16.2
NetR17_1: R17.1 U1.4 | length 1862.4
  Top Layer w10: R17.1 3873.14,2063.14 3930,2120 4880,2120 5160,2400 5160,2560 U1.4@5055,2665
NetR17_2: R17.2 T2.1 | length 490.2
  Top Layer w10: T2.1 3786.54,1730.35 3680.24,1730.35 3668.43,1742.17 3668.43,1805.16 3688.11,1824.84 3794.41,1824.84 3840.15,1870.59 R17.2
NetR18_1: R18.1 U1.5 | length 1692.8
  Top Layer w10: R18.1 4030.62,2046.76 4083.87,2100 4890,2100 5180,2390 5180,2628.7 U1.5
NetR18_2: R18.2 T3.1 | length 307.4
  Top Layer w10: T3.1@3995.2,1702.8 4014.88,1702.8 4039.84,1727.76 4089.12,1727.76 4109.37,1748.01 4109.37,1824.84 4063.62,1870.59 R18.2
NetR19_1: R19.1 U1.6 | length 1676.5
  Top Layer w10: R19.1 4188.1,2008.1 4260,2080 4980,2080 5350,2450 5350,2530 5243.7,2636.3 U1.6
NetR19_2: R19.2 T4.1 | length 275.7
  Top Layer w10: T4.1 4198.26,1724.76 4221.62,1724.76 4234.62,1737.76 4234.62,1853.76 4217.79,1870.59 R19.2
VCC: BATTERY0.2 IC1.5 JP0_1.2 JP0_2.2 MAIN_SW.1 MAIN_SW.2 R1.2 R3.2 | length 3973.2
  Top Layer w10: IC1.5 IC1.5@1157.54,3402.12
  Top Layer w30: R3.2 585.02,3241.98 804,3023 1204,3023 1420,3239 1420,3802 1304,3918 1144,3918 1099,3873 1099,3733 1137.07,3694.93 1285.07,3694.93 1320,3660 1320,3487.31 1234.81,3402.12 IC1.5@1157.54,3402.12
  Top Layer w40: R1.2 R1.2@585.02,3657.53
  Top Layer w80: MAIN_SW.1 MAIN_SW.1@233.65,3293.35
  Top Layer w110: R3.2 R1.2
  Top Layer w120: MAIN_SW.1@233.65,3293.35 233.65,3034.35 550.12,2717.88 BATTERY0.2@664,2717.88
pads on no net: *.3 Big-MOSFET0.3@1507.78,4054.38 Big-MOSFET0.3@2207.78,4054.38 Big-MOSFET0.5 Big-MOSFET0.6 Big-MOSFET0.7 Big-MOSFET0.8 Big-MOSFET1.3@2387.19,4054.38 Big-MOSFET1.3@3087.19,4054.38 Big-MOSFET1.5 Big-MOSFET1.6 Big-MOSFET1.7 Big-MOSFET1.8 FAN1.3 FAN2.3 Small-MOSFET1.5 Small-MOSFET1.6 Small-MOSFET2.5 Small-MOSFET2.6 Small-MOSFET3.5 Small-MOSFET3.6 TVS2.2 TVS2.3 U1.2 U1.9 U1.10 U1.13 U1.14 U1.15 U1.16 U1.20 U1.21 U1.28
copper on no net: | length 81.7
  Top Layer w40: 2132.82,2691.31 2214.51,2691.31
  other v2: 1208.72,192.96 2035.5,192.96 3216.6,192.96 3570.93,192.96 4397.7,192.96 4752.03,192.96 5578.8,192.96 1208.72,2417.37 2035.5,2417.37 3216.6,2417.37 3570.93,2417.37 4397.7,2417.37 4752.03,2417.37 5578.8,2417.37
  other v3: 354.33,196.85 5984.25,196.85 314.96,4055.12 6062.99,4409.45
  other v5: 458.28,2600.46 458.28,3033.54 929.13,4303.15

## Polygon pours and split planes (outlines as drawn)
GND2 on Bottom Layer "GND2" (solid, pour order 0): 5826.77,3661.42 5905.51,3740.16 6102.36,3740.16 6259.84,3582.68 6259.84,748.03 6153.54,629.92 6098.43,629.92 6023.62,629.92 5960.63,688.98 5960.63,1090.55 6141.73,1271.65 6141.73,1929.13 6102.36,1968.5 6023.62,2047.24 5944.88,2125.98 5944.88,2480.32 5866.14,2559.06 5826.77,2598.43 4724.41,2598.43 4645.67,2677.17 4645.67,2952.76 4724.41,3031.5 5826.77,3031.5
GND on Bottom Layer "GND" (solid, pour order 6): 511.81,2872.19 511.81,4181.1 740.16,4409.45 5944.88,4409.45 6102.36,4251.97 6102.36,3740.16 5905.51,3740.16 5826.77,3661.42 5826.77,3149.61 5708.66,3031.5 4724.41,3031.5 4647.59,2954.68 4645.67,2952.76 4645.67,2677.17 4724.41,2598.43 5826.77,2598.43 5944.88,2480.32 5944.88,2125.98 6102.36,1968.5 6141.73,1929.13 6141.73,1496.06 6141.73,1271.65 5952.76,1082.68 5952.76,220.47 5771.65,39.37 1692.91,39.37 1614.17,118.11 1614.17,1769.83
GND2 on Bottom Layer "GND2" (solid, pour order 8): 5700.79,3023.62 5842.52,3165.35 5842.52,3023.62

## Silkscreen, mask and mechanical layers (free items; w line width, h text height)
Top Overlay:
  the board outline again, w10
  text "ATmega" at 5850,3855 h50
Bottom Overlay:
  drawing of 20 lines, arcs and shapes, not listed
  text "Selfie V5 / Supply Module /  / Designed by / Igor Pieniek" at 3728.35,1968.5 h78.74 r90

## Text inside footprints (layer, text, board x,y; h text height)
*: Top Overlay "MOSI" at 5800,3680 h39.37 r90; Top Overlay "RST" at 5790,3400 h39.37 r90; Top Overlay "SCK" at 5790,3260 h39.37 r90; Top Overlay "MISO" at 5790,3085 h39.37 r90; Top Overlay "VCC" at 6210,3665 h39.37 r90; Top Overlay "GND" at 6210,3110 h39.37 r90; Top Overlay "GND" at 6210,3515 h39.37 r90; Top Overlay "GND" at 6210,3380 h39.37 r90; Top Overlay "GND" at 6210,3240 h39.37 r90
F1: Top Overlay "Fuse holder" at 220.54,1832.72 h60
F2: Top Overlay "Fuse holder" at 220.54,1389.81 h60
F3: Top Overlay "Fuse holder" at 220.54,946.9 h60
F4: Top Overlay "Fuse holder" at 220.54,513.83 h60
F5: Top Overlay "Fuse holder" at 224.47,2267.76 h60
STM_OUT: Top Overlay "FU1" at 5322.83,3992.13 h39.37; Top Overlay "FU2" at 5464.57,3992.13 h39.37; Top Overlay "+3.5" at 5090,3550 h35 r90; Top Overlay "+5/1" at 5190,3550 h35 r90; Top Overlay "+5/2" at 5290,3540 h35 r90; Top Overlay "1_7" at 5390,3580 h35 r90; Top Overlay "IN_AT" at 5488,3511 h35 r90